# Altium PCB Velvet_Controller_v1.1_2022.PcbDoc (part 3 of 3)
Units mm, origin at the board's own origin, x right, y up, seen from the top; angles counter-clockwise.
Board outline 160.35 x 110.35 mm, 4 copper layers (Top Layer, VCC, GND, Bottom Layer), stack 1.444 mm thick; 158 components, 117 nets, 669 pads, 438 vias.
Unrouted connection lines stored in the file: 3.
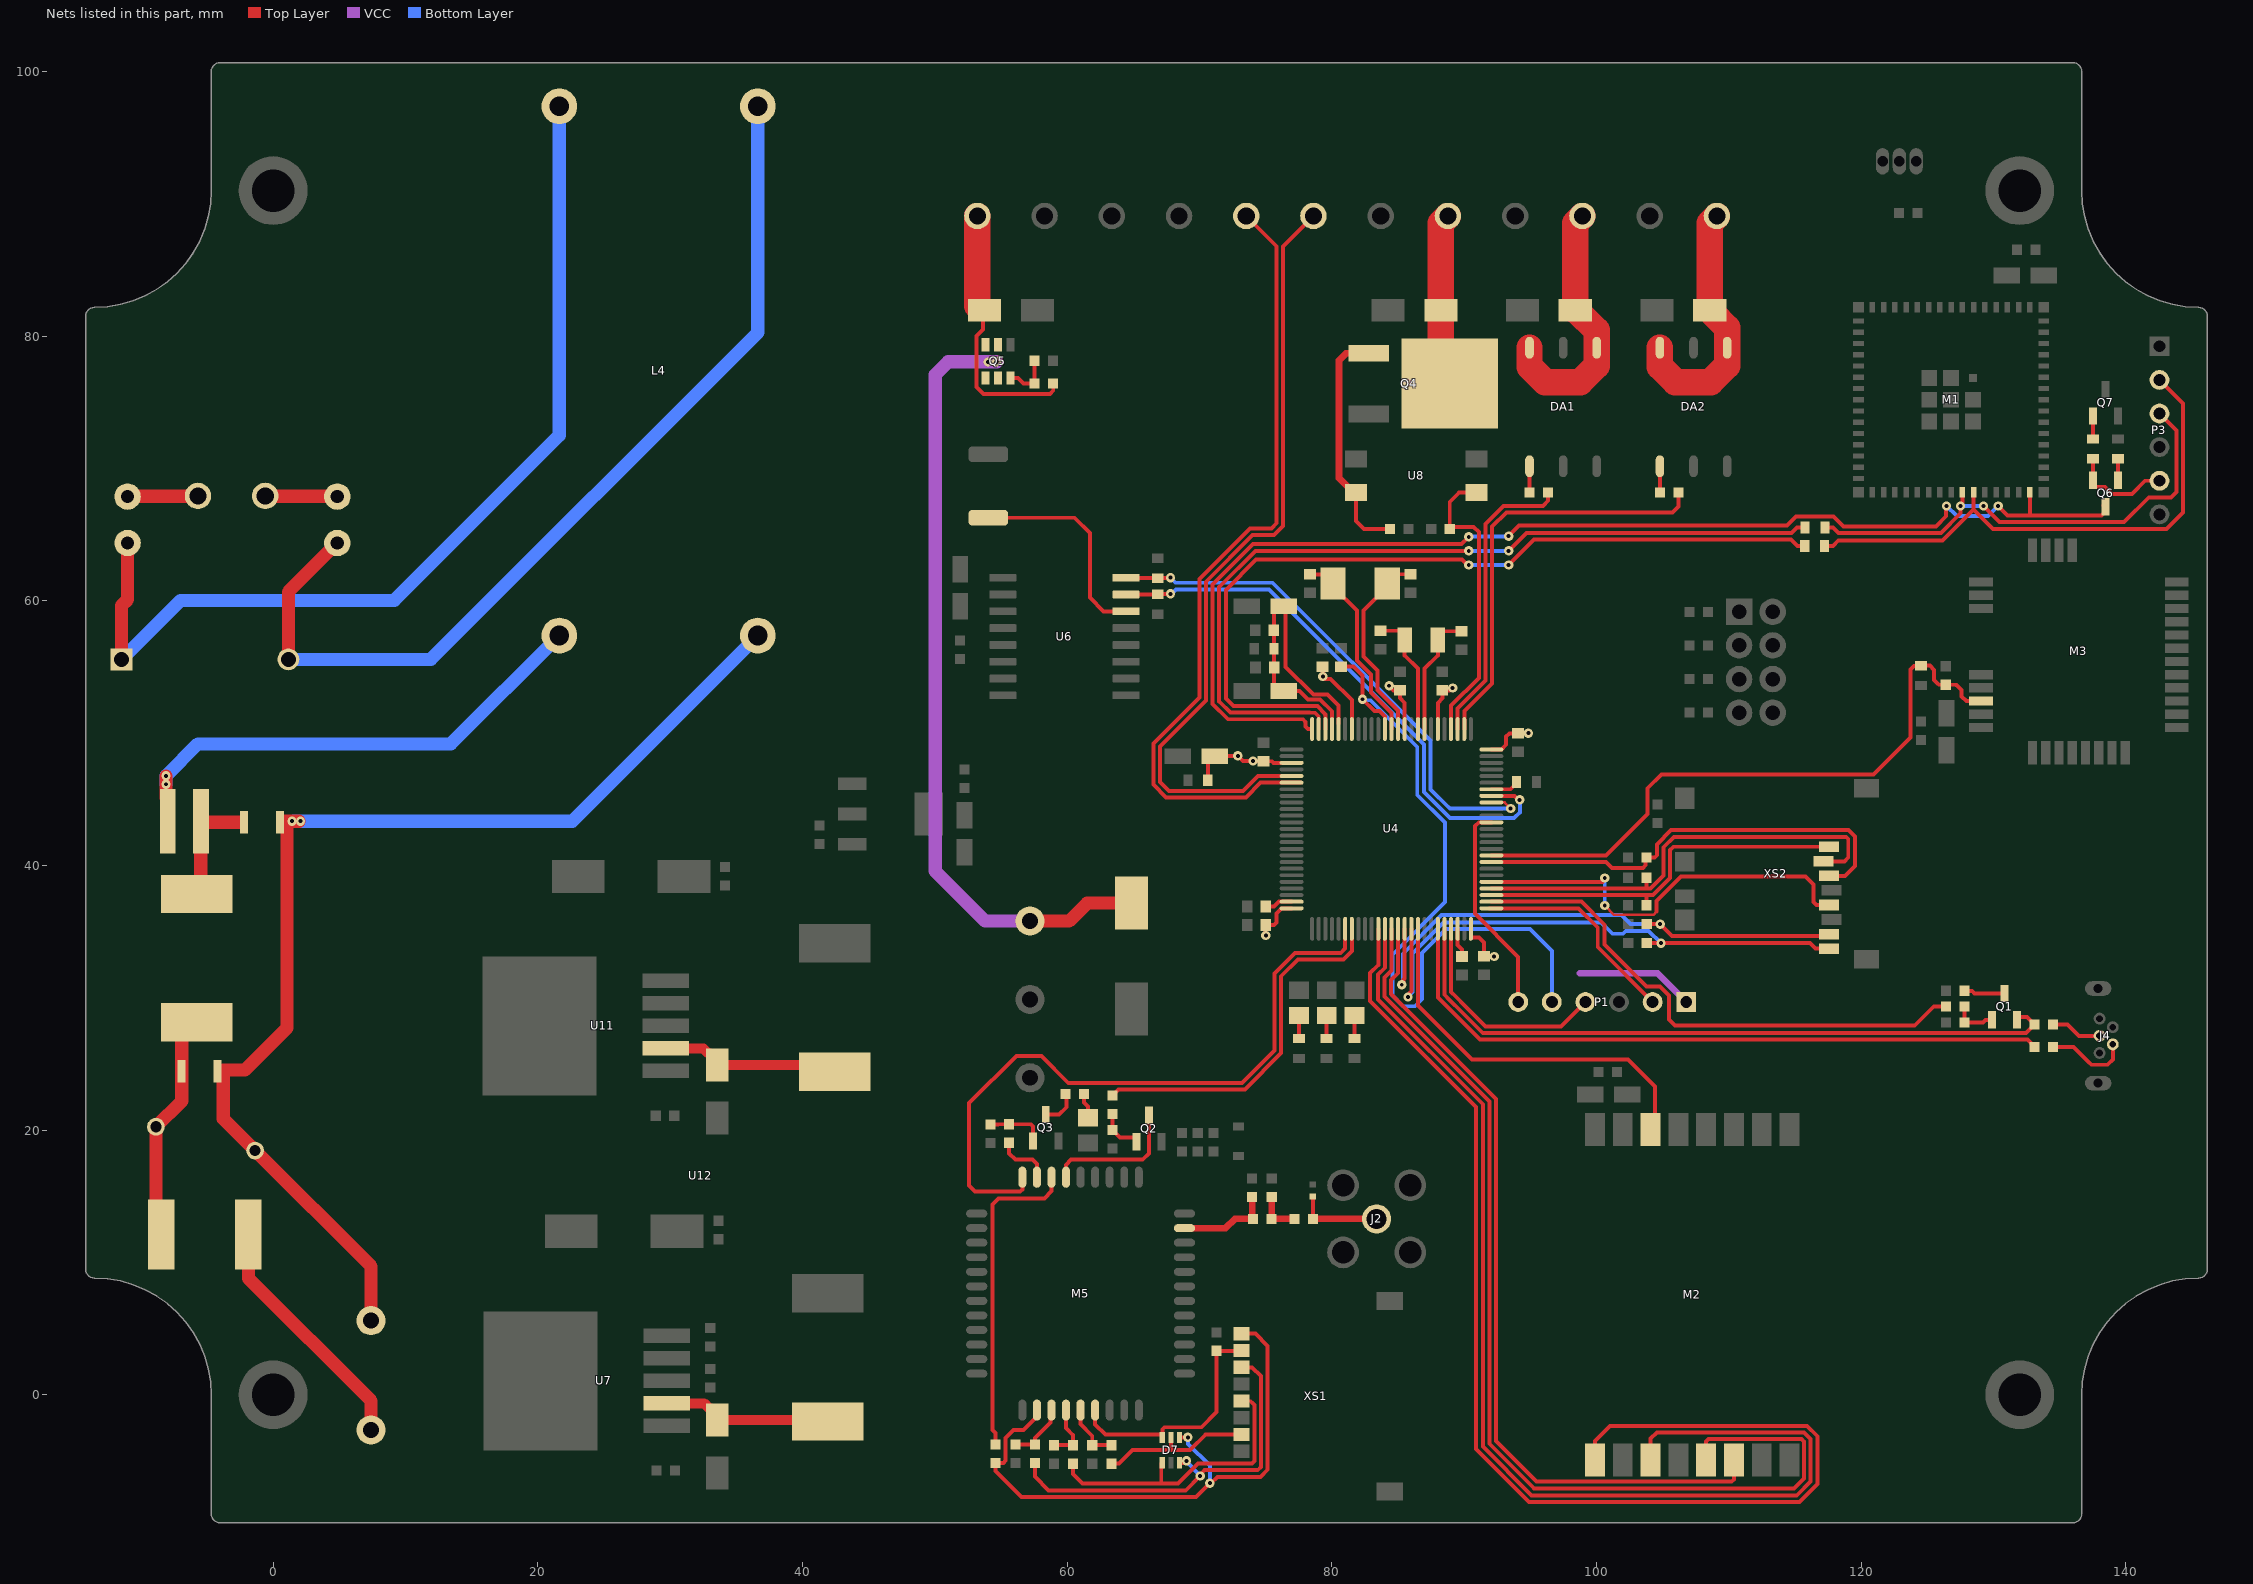
[diagram p5: the nets of this part, all layers, seen from the top]

## Via types
v1: diameter 0.7, hole 0.3, Top Layer to Bottom Layer, tented both sides, 438 vias

## Nets (pads, with @x,y where several pads share a name; then routed paths per layer and width w, separated by ;. In a path a pad name is that pad's centre, name@x,y a point inside that pad or via, vN(x,y) a via of type N, cw(c..) or ccw(c..) an arc to the next point about the centre after c; other vN are vias at no path point) (continued)
MC_VDD: C16.1 C17.2 C18.2 C19.2 C20.2 C21.2 C22.2 C23.2 L3.2 P1.1 U4.6 U4.11 U4.19 U4.28 U4.50 U4.75 U4.100 | length 40.9
  Top Layer w0.254: v1@84.338,53.548 v1(84.338,53.581) ; v1@89.193,53.548 v1@89.193,53.581
  Top Layer w0.3: L3.2@70.635,46.443 70.635,47.807 71.085,48.257 C16.1@71.167,48.257 71.195,48.285 v1(72.898,48.285) 73.292,47.892 v1@74.025,47.892 ; v1(74.051,47.892) v1@74.025,47.892 ; v1(75.016,34.709) 75.01,34.714 75.01,35.485 C18.2@75.005,35.491 75.605,35.491 75.61,35.496 75.651,35.496 75.829,35.674 75.829,36.374 76.215,36.761 U4.50@76.965,36.761 ; U4.28@76.965,47.761 75.605,47.761 75.488,47.877 C19.2@74.838,47.877 74.039,47.877 v1@74.025,47.892 ; C20.2@79.299,55.028 79.324,55.002 v1(79.324,54.276) 79.502,54.099 79.916,54.099 81.515,52.499 U4.19@81.515,50.597 ; v1@84.338,53.548 84.649,53.237 C21.2@85.15,53.237 ; C21.2@85.15,52.983 85.15,52.641 85.515,52.276 U4.11@85.515,50.311 ; U4.6@88.015,50.311 88.015,52.276 88.38,52.641 C22.2@88.38,52.983 ; C22.2@88.38,53.237 88.882,53.237 v1@89.193,53.548 ; U4.75@90.515,34.836 90.515,34.564 91.115,34.564 91.5,34.179 C17.2@91.5,33.134 91.506,33.128 92.272,33.128 v1(92.278,33.122) ; U4.100@92.065,48.761 92.815,48.761 93.177,49.122 93.177,49.746 93.42,49.989 C23.2@94.066,49.989 94.071,49.994 v1@94.729,49.994 ; v1@94.734,50 v1@94.729,49.994 ; v1@94.848,49.994 v1@94.729,49.994
  VCC w0.5: 98.755,31.852 104.619,31.852 P1.1@106.791,29.68
  other v1: 94.853,50 89.142,53.403
MOSFET_OPTO: R14.1 U4.4 U8.1 | length 22.9
  Top Layer w0.3: U4.4@89.015,50.311 89.015,51.863 ; 89.015,51.538 89.015,51.863 ; U8.1@90.945,68.174 89.634,68.174 88.918,67.458 R14.1@88.918,65.43 89.072,65.583 90.729,65.583 91.116,65.196 91.116,54.182 89.015,52.082 89.015,51.863
MOSFET_TTR1: R33.2 U4.3 | length 22.4
  Top Layer w0.3: U4.3@89.515,50.311 89.515,51.875 91.616,53.975 91.616,65.81 92.983,67.176 95.956,67.176 96.343,67.563 R33.2@96.343,68.183
MOSFET_TTR2: R1.2 U4.2 | length 31.9
  Top Layer w0.3: U4.2@90.015,50.311 90.015,51.524 90.015,51.668 92.116,53.768 92.116,65.602 93.19,66.676 105.742,66.676 106.198,67.133 R1.2@106.198,68.183
NetBAT1_1: BAT1.1 U6.14 | length 16.2
  Top Layer w0.3: BAT1.1@54.05,66.278 60.57,66.278 61.722,65.126 61.722,60.249 62.763,59.207 U6.14@64.453,59.207
NetC1_1: C1.1 C2.1 L4.2 RV8.1 U12.2 | length 86.7
  Top Layer w1: C1.1@0.797,43.345 v1(1.432,43.345) v1@1.956,43.345 ; 1.051,42.71 1.051,27.724 -2.124,24.549 -3.775,24.549 -3.775,20.866 RV8.1@-1.362,18.453 7.396,9.695 U12.2@7.396,5.6
  Bottom Layer w1: v1@1.559,43.345 v1(2.067,43.345) 22.595,43.345 L4.2@36.625,57.375
NetC1_2: C1.2 L1.2 L2.1 | length 9.7
  Top Layer w1: L1.2@-5.466,43.345 -5.466,38.141 L2.1@-5.766,37.841 L2.1@-4.516,37.841 ; L1.2@-5.366,43.266 -2.566,43.266
NetC2_2: C2.2 F8.1 L2.2 RV8.2 | length 15.8
  Top Layer w1: F8.1@-8.862,13.754 RV8.2@-8.862,20.253 -6.915,22.2 C2.2@-6.915,24.466 -6.915,27.191 -5.965,28.141 L2.2@-5.766,28.141
NetC10_1: C10.1 U4.8 Y2.2 | length 9.4
  Top Layer w0.254: Y2.2@88.001,57.036 88.001,57.284 88.424,57.707 C10.1@89.816,57.707
  Top Layer w0.3: U4.8@87.015,50.311 87.015,54.871 88.03,55.886 Y2.2@88.03,57.036
NetC11_1: C11.1 U4.12 Y1.2 | length 13.9
  Top Layer w0.254: Y1.2@84.89,62.003 C11.1@85.938,62.002
  Top Layer w0.3: Y1.2@84.193,61.306 84.193,61.056 82.391,59.254 82.391,55.808 83.464,54.734 83.464,53.269 85.015,51.718 U4.12@85.015,50.311
NetC12_1: C12.1 U4.9 Y2.1 | length 9.4
  Top Layer w0.254: C12.1@83.691,57.736 85.078,57.736 85.501,57.313 Y2.1@85.501,57.036
  Top Layer w0.3: Y2.1@85.501,57.036 85.501,55.886 86.515,54.871 U4.9@86.515,50.311
NetC13_1: C13.1 U4.13 Y1.1 | length 14.9
  Top Layer w0.3: C13.1@78.349,62.003 79.397,62.003 Y1.1@80.093,61.306 80.093,61.056 81.891,59.258 81.891,55.494 82.956,54.429 82.956,53.07 84.515,51.511 U4.13@84.515,50.311
NetC14_2: C14.2 U4.73 | length 2.2
  Top Layer w0.3: U4.73@89.515,35.211 89.515,33.984 89.846,33.653 C14.2@89.846,33.123
NetC15_2: C15.2 U4.49 | length 2.1
  Top Layer w0.3: C15.2@75.015,36.891 75.639,36.891 76.008,37.261 U4.49@76.965,37.261
NetC24_1: C24.1 C25.2 C26.1 C27.2 L9.2 U4.21 U4.22 | length 24.6
  Top Layer w0.2: U4.22@80.015,50.311 U4.22@80.015,50.922 ; U4.21@80.515,50.311 U4.21@80.515,50.747
  Top Layer w0.254: C24.1@75.64,53.648 76.113,53.175 C24.1@76.369,53.175 ; C26.1@75.64,59.113 76.113,59.586 C26.1@76.369,59.586
  Top Layer w0.3: C24.1@75.64,53.648 L9.2@75.64,56.375 C26.1@75.64,59.113 ; C24.1@76.369,53.175 77.569,53.175 78.193,52.551 79.118,52.551 80.015,51.654 U4.22@80.015,50.922 ; C26.1@76.369,59.586 76.514,59.44 76.514,55.007 78.613,52.908 79.692,52.908 80.515,52.085 U4.21@80.515,50.747
NetC29_2: C29.2 M5.32 R16.2 | length 7.1
  Top Layer w0.5: M5.32@68.869,12.593 71.977,12.593 72.678,13.295 R16.2@74.036,13.295 R16.2@73.948,13.383 ; R16.2@73.998,13.383 C29.2@73.998,14.944
NetC30_2: C30.2 R16.1 R17.2 | length 3.3
  Top Layer w0.5: R16.1@75.433,13.295 76.014,13.295 R17.2@77.174,13.295 ; R16.1@75.468,13.383 C30.2@75.468,14.944
NetC35_2: C35.2 M3.22 R2.1 U4.84 | length 48.9
  Top Layer w0.3: U4.84@92.065,40.761 100.731,40.761 103.876,43.905 103.876,45.837 104.915,46.876 120.939,46.876 123.733,49.67 123.733,52.152 123.721,52.165 123.721,54.813 123.987,55.08 124.507,55.08 R2.1@124.521,55.093 ; R2.1@124.553,55.106 125.206,55.106 125.524,54.788 125.524,54.026 125.791,53.758 125.892,53.657 C35.2@126.4,53.657 127.162,53.657 127.187,53.632 127.213,53.632 127.594,53.251 127.594,52.787 127.958,52.422 M3.22@129.058,52.422
NetC42_1: C42.1 Q5.1 Q5.2 Q5.5 Q5.6 U12.3 | length 59.5
  Top Layer w1: U12.3@57.196,35.8 60.146,35.8 61.506,37.16 C42.1@64.881,37.16
  VCC w1: v1(54.681,78.059) 51.008,78.059 50.038,77.089 50.038,39.573 53.811,35.8 U12.3@57.196,35.8
  other v1: 54.026,78.054
NetC45_2: C45.2 D7.6 M5.18 XS1.C5 | length 18.3
  Top Layer w0.3: M5.18@62.119,-1.157 62.119,-2.233 62.892,-3.006 67.129,-3.006 D7.6@67.202,-3.079 ; D7.6@67.202,-3.231 D7.6@67.202,-3.079 ; XS1.C5@73.187,3.344 73.167,3.324 C45.2@71.306,3.324 71.306,-1.311 70.163,-2.454 67.354,-2.454 67.202,-2.606 D7.6@67.202,-3.079
NetC46_2: C46.2 M5.17 R30.1 | length 4.4
  Top Layer w0.3: M5.17@61.019,-1.157 61.019,-2.226 61.901,-3.107 C46.2@61.901,-3.813 ; C46.2@61.943,-3.813 62.524,-3.813 R30.1@63.347,-3.813
NetC47_2: C47.2 M5.16 R29.1 | length 4.3
  Top Layer w0.3: C47.2@59.135,-3.813 R29.1@60.539,-3.813 ; M5.16@59.919,-1.157 59.919,-2.523 60.454,-3.058 R29.1@60.454,-3.813
NetC48_2: C48.2 M5.15 R28.1 | length 4.3
  Top Layer w0.3: C48.2@56.327,-3.749 R28.1@57.562,-3.75 ; R28.1@57.562,-3.75 57.562,-3.27 58.753,-2.079 58.753,-1.223 M5.15@58.819,-1.157
NetD1_1: D1.1 J3.2 R23.1 | length 20
  Top Layer w0.3: D1.1@53.569,81.953 53.645,81.878 53.645,80.495 53.152,80.002 53.152,76.156 53.67,75.638 58.696,75.638 58.953,75.895 58.953,76.41 R23.1@58.925,76.439
  Top Layer w1: D1.1@53.219,82.303 D1.1@53.569,81.953
  Top Layer w2: D1.1@53.219,82.303 J3.2@53.219,89.083
NetD2_2: D2.2 L7.1 U11.2 | length 12.3
  Top Layer w0.75: U11.2@29.678,26.176 32.507,26.176 32.886,25.797 33.019,25.797 D2.2@33.494,25.322 ; D2.2@33.756,24.927 41.7,24.927 L7.1@41.819,24.808
NetD3_1: D3.1 R6.1 | length 1.8
  Top Layer w0.3: R6.1@77.515,26.918 D3.1@77.515,28.668
NetD4_1: D4.1 R8.1 | length 1.8
  Top Layer w0.3: R8.1@79.618,26.918 79.618,27.818 D4.1@79.618,28.668
NetD5_1: D5.1 R9.1 | length 1.8
  Top Layer w0.3: R9.1@81.722,26.918 81.722,27.818 D5.1@81.722,28.668
NetD6_2: D6.2 R3.2 | length 1.9
  Top Layer w0.3: R3.2@61.289,22.735 61.289,22.073 61.578,21.784 D6.2@61.578,20.934
NetD7_1: D7.1 R29.2 XS1.C3 | length 22.4
  Top Layer w0.254: XS1.C3@73.187,-0.466 73.838,-0.466 74.006,-0.633
  Top Layer w0.3: R29.2@60.454,-5.21 60.454,-6.004 61.163,-6.713 67.115,-6.713 ; D7.1@67.202,-5.131 67.152,-5.181 67.152,-5.546 67.115,-5.582 67.115,-6.713 ; 74.006,-0.633 74.151,-0.778 74.151,-5.017 73.965,-5.202 69.883,-5.202 68.372,-6.713 67.115,-6.713
NetD7_3: D7.3 R28.2 XS1.C2 | length 30.7
  Top Layer w0.3: R28.2@57.562,-5.147 57.562,-6.185 58.606,-7.229 68.967,-7.229 v1(70.06,-6.136) ; v1(69.02,-4.994) 68.951,-5.063 68.552,-5.063 68.517,-5.098 68.517,-5.147 v1@69.147,-5.147 ; v1@70.009,-6.085 v1@70.06,-6.034 ; v1@70.085,-6.01 70.392,-5.702 74.406,-5.702 74.651,-5.458 74.651,1.411 73.987,2.074 XS1.C2@73.187,2.074
  Bottom Layer w0.3: v1(69.02,-4.994) 69.02,-5.045 70.06,-6.085 v1(70.06,-6.136) ; v1@70.045,-6.041 v1@70.071,-6.041
NetD7_4: D7.4 M5.14 R27.2 XS1.C1 | length 45.4
  Top Layer w0.3: M5.14@57.719,-1.157 57.719,-1.657 56.721,-2.654 55.954,-2.654 55.356,-3.252 55.356,-4.971 55.18,-5.147 R27.2@54.593,-5.147 54.593,-5.777 56.553,-7.737 69.728,-7.737 v1(70.786,-6.68) 70.894,-6.68 71.371,-6.202 74.613,-6.202 75.151,-5.665 75.151,3.688 74.224,4.614 XS1.C1@73.187,4.614 ; D7.4@68.502,-3.231 68.517,-3.216 v1(69.122,-3.216)
  Bottom Layer w0.3: v1@69.132,-3.222 69.132,-3.705 70.786,-5.358 v1(70.786,-6.68)
NetD7_5: D7.5 R30.2 XS1.C4 | length 11.7
  Top Layer w0.3: R30.2@63.347,-5.21 63.928,-5.21 64.957,-4.181 67.902,-4.181 ; D7.5@67.852,-3.231 67.852,-4.131 67.902,-4.181 ; XS1.C4@73.187,-3.006 70.477,-3.006 69.301,-4.181 67.902,-4.181
NetD8_1: D8.1 J1.1 Q4.2 | length 13.2
  Top Layer w2: J1.1@88.781,89.082 88.241,88.542 88.241,77.074 Q4.2@88.906,76.409
NetD9_2: D9.2 L8.1 U7.2 | length 12.3
  Top Layer w0.75: U7.2@29.753,-0.646 32.581,-0.646 32.961,-1.025 33.094,-1.025 D9.2@33.569,-1.5 ; D9.2@33.831,-1.895 41.774,-1.895 L8.1@41.893,-2.014
NetD10_1: D10.1 DA1.4 DA1.6 J6.1 | length 19.4
  Top Layer w2: DA1.6@94.946,79.124 94.946,77.699 96.117,76.527 98.781,76.527 100.026,77.772 DA1.4@100.026,79.124 100.026,80.431 98.503,81.953 D10.1@98.403,81.953 ; D10.1@98.403,82.344 98.403,88.542 J6.1@98.943,89.082
NetD11_1: D11.1 DA2.4 DA2.6 J7.1 | length 19.3
  Top Layer w2: DA2.6@104.801,79.124 104.801,77.699 105.972,76.527 108.636,76.527 109.881,77.772 DA2.4@109.881,79.124 109.881,80.638 108.816,81.703 108.816,81.803 108.666,81.953 D11.1@108.566,81.953 ; D11.1@108.566,82.344 108.566,88.542 J7.1@109.106,89.082
NetDA1_1: DA1.1 R33.1 | length 2
  Top Layer w0.3: R33.1@94.946,68.183 DA1.1@94.946,70.174
NetDA2_1: DA2.1 R1.1 | length 2
  Top Layer w0.3: R1.1@104.801,68.183 DA2.1@104.801,70.174
NetF8_2: F8.2 U12.1 | length 18.6
  Top Layer w1: F8.2@-1.872,12.103 -1.872,8.803 7.396,-0.465 U12.1@7.396,-2.66
NetGDT1_1: GDT1.1 L4.3 L5.2 | length 73.9
  Top Layer w1: GDT1.1@-11.451,55.575 -11.451,59.649 -11,60.1 L5.2@-11,64.37
  Bottom Layer w1: GDT1.1@-11.451,55.575 -7.001,60.025 9.15,60.025 21.625,72.5 L4.3@21.625,97.375
NetGDT1_2: GDT1.2 L4.1 L6.2 | length 73.1
  Top Layer w1: GDT1.2@1.15,55.575 1.15,60.67 L6.2@4.85,64.37
  Bottom Layer w1: GDT1.2@1.15,55.575 11.925,55.575 36.625,80.275 L4.1@36.625,97.375
NetJ2_1: J2.1 R17.1 TVS2.2 | length 6.5
  Top Layer w0.3: R17.1@78.571,13.295 78.571,13.876 TVS2.2@78.571,15.002
  Top Layer w0.5: R17.1@78.571,13.295 J2.1@83.393,13.295
NetJ4_2: J4.2 R40.2 | length 6.4
  Top Layer w0.3: R40.2@134.51,26.284 136.072,26.284 137.241,25.116 137.416,24.94 138.638,24.94 139.024,25.327 J4.2@139.024,26.479
NetJ4_3: J4.3 R41.2 | length 3.9
  Top Layer w0.3: R41.2@134.51,27.988 135.599,27.988 136.458,27.129 J4.3@138.024,27.129
NetJ8_1: J8.1 L6.1 | length 5.5
  Top Layer w1: J8.1@-0.6,67.925 -0.575,67.9 4.825,67.9 L6.1@4.85,67.875
NetJ8_2: J8.2 L5.1 | length 5.3
  Top Layer w1: L5.1@-11,67.875 -10.975,67.9 -5.705,67.9 J8.2@-5.68,67.925
NetJ9_1: J9.1 U4.30 | length 59.2
  Top Layer w0.3: U4.30@76.965,46.761 74.421,46.761 73.304,45.643 67.692,45.643 67.017,46.318 67.017,49.002 70.493,52.478 70.493,61.442 74.024,64.972 75.645,64.972 76.327,65.654 76.327,86.79 J9.1@78.619,89.082
NetJ9_2: J9.2 U4.31 | length 60.7
  Top Layer w0.3: J9.2@73.539,89.082 75.827,86.795 75.827,65.861 75.438,65.472 73.817,65.472 69.993,61.649 69.993,52.685 66.517,49.209 66.517,46.11 67.485,45.143 73.511,45.143 74.628,46.261 U4.31@77.622,46.261
NetL1_1: L1.1 L4.4 | length 38.2
  Top Layer w1: v1@-8.093,46.764 v1(-8.093,46.139) -8.093,45.095 -8.066,45.095 -7.966,44.995 L1.1@-7.966,43.345
  Bottom Layer w1: v1(-8.093,46.139) v1(-8.093,46.774) -5.68,49.187 13.437,49.187 L4.4@21.625,57.375
NetM5_39: M5.39 Q2.3 | length 10.4
  Top Layer w0.3: M5.39@59.919,16.443 59.919,17.375 60.308,17.764 65.718,17.764 66.201,18.247 Q2.3@66.201,21.122
NetM5_40: M5.40 R27.1 | length 24.2
  Top Layer w0.3: R27.1@54.593,-3.75 54.593,-2.882 54.366,-2.654 54.366,14.389 54.823,14.846 58.277,14.846 58.819,15.388 M5.40@58.819,16.443
NetM5_41: M5.41 R12.1 | length 4.2
  Top Layer w0.3: R12.1@55.611,19.047 55.611,18.244 56.091,17.764 57.398,17.764 57.719,17.443 M5.41@57.719,16.443
NetM5_42: M5.42 U4.56 | length 51.3
  Top Layer w0.3: M5.42@56.619,16.443 56.619,15.522 56.443,15.346 53.053,15.346 52.588,15.811 52.588,22.034 56.169,25.616 58.049,25.616 60.089,23.576 73.225,23.576 75.676,26.027 75.676,31.836 77.238,33.398 80.68,33.398 81.015,33.733 U4.56@81.015,35.211
NetQ1_1: Q1.1 R38.1 R39.2 | length 3.4
  Top Layer w0.3: 127.819,28.753 R39.2@127.819,28.138 129.204,28.138 129.4,28.335 Q1.1@129.9,28.335 ; 127.819,28.754 R38.1@127.819,29.335
NetQ1_3: Q1.3 R37.2 | length 4.9
  Top Layer w0.3: R37.2@127.805,30.531 128.386,30.531 128.582,30.335 Q1.3@130.85,30.335 129.09,30.335
NetQ2_1: Q2.1 R5.1 R10.2 | length 3.5
  Top Layer w0.3: R5.1@63.425,21.211 R10.2@63.425,20.012 64.006,19.431 65.078,19.431 65.251,19.258 Q2.1@65.251,19.122
NetQ3_1: Q3.1 R12.2 R13.2 | length 4.4
  Top Layer w0.3: R13.2@54.215,20.431 54.796,20.431 54.809,20.444 R12.2@55.611,20.444 57.272,20.444 57.437,20.28 Q3.1@57.437,19.173
NetQ3_3: Q3.3 R3.1 | length 2.8
  Top Layer w0.3: Q3.3@58.387,21.173 59.397,21.173 59.954,21.73 59.954,22.674 R3.1@59.892,22.735
NetQ4_1: Q4.1 R15.1 U8.4 | length 18.1
  Top Layer w0.3: U8.4@81.826,68.174 81.826,66.024 82.421,65.43 R15.1@84.417,65.43
  Top Layer w0.5: U8.4@81.826,68.174 81.649,68.174 80.551,69.272 80.551,78.168 81.081,78.699 Q4.1@82.806,78.699
NetQ5_3: Q5.3 R23.2 R24.1 | length 3.7
  Top Layer w0.3: Q5.3@55.722,76.849 56.298,76.849 56.708,76.439 R23.2@57.528,76.439 R24.1@57.528,78.143
NetQ6_1: Q6.1 R11.1 | length 1.6
  Top Layer w0.3: Q6.1@139.427,69.113 R11.1@139.427,70.738
NetQ7_1: Q7.1 R18.1 | length 1.7
  Top Layer w0.3: R18.1@137.527,72.238 137.527,72.788 Q7.1@137.527,73.965
NetR5_2: R5.2 U4.57 | length 27.2
  Top Layer w0.3: R5.2@63.425,22.608 63.893,23.076 73.432,23.076 76.176,25.82 76.176,31.628 77.445,32.898 80.888,32.898 81.515,33.525 U4.57@81.515,34.76
NetR7_2: R7.2 U4.94 | length 2.2
  Top Layer w0.3: U4.94@92.065,45.761 93.507,45.761 93.966,46.22 R7.2@93.966,46.32
NetR19_2: R19.2 U4.23 | length 63.3
  Top Layer w0.3: U4.23@79.515,50.311 79.515,51.411 79.502,51.425 79.502,51.461 78.911,52.051 72.558,52.051 71.993,52.616 71.993,60.82 74.292,63.119 89.84,63.119 90.259,62.7 v1(90.353,62.7) ; v1@90.353,62.743 90.412,62.743 v1@90.455,62.7 ; v1(93.367,62.7) 95.298,64.63 114.713,64.63 115.199,64.144 R19.2@115.744,64.144
  Bottom Layer w0.3: v1(90.353,62.7) v1(93.367,62.7)
NetR20_2: R20.2 U4.24 | length 63.7
  Top Layer w0.28: 78.312,51.551 78.718,51.551 79.012,51.258 79.012,50.315 U4.24@79.015,50.311
  Top Layer w0.3: 78.312,51.551 72.351,51.551 71.493,52.409 71.493,61.027 74.245,63.779 v1(90.353,63.779) ; v1(93.367,63.779) 94.72,65.132 114.735,65.132 115.148,65.545 R20.2@115.769,65.545
  Bottom Layer w0.3: v1(90.353,63.779) v1(93.367,63.779)
NRST: C31.2 P1.5 U4.14 | length 55.2
  Top Layer w0.3: C31.2@80.699,55.028 81.651,55.028 82.332,54.346 v1(82.332,52.562) 83.229,51.665 83.618,51.665 84.015,51.268 U4.14@84.015,50.311
  Bottom Layer w0.3: v1(82.332,52.562) 82.409,52.485 82.926,52.485 86.462,48.949 86.462,45.343 88.57,43.235 88.57,37.235 84.589,33.255 84.589,30.168 85.396,29.361 86.282,29.361 86.837,29.916 86.837,33.381 88.645,35.19 94.971,35.19 96.631,33.529 P1.5@96.631,29.68
RFID_EN: M2.11 U4.67 | length 29.6
  Top Layer w0.3: U4.67@86.515,35.211 86.515,30.239 86.515,29.402 90.582,25.335 102.402,25.335 104.445,23.292 104.445,20.406 M2.11@104.095,20.056
RFID_GPI: M2.8 U4.61 | length 93.6
  Top Layer w0.3: U4.61@83.515,35.211 83.515,33.984 83.515,32.477 82.906,31.868 82.906,29.756 90.915,21.746 90.915,-4.114 94.9,-8.099 115.349,-8.099 116.695,-6.753 116.695,-3.135 115.904,-2.344 104.363,-2.344 101.031,-2.344 99.895,-3.48 M2.8@99.895,-4.944
RFID_GPO: M2.6 U4.62 | length 86.7
  Top Layer w0.3: U4.62@84.015,35.211 84.015,32.27 83.49,31.745 83.49,29.879 91.415,21.954 91.415,-3.907 95.107,-7.599 115.142,-7.599 116.195,-6.546 116.195,-3.342 115.697,-2.844 104.57,-2.844 104.095,-3.318 M2.6@104.095,-4.944
RFID_RX: M2.3 U4.64 | length 63
  Top Layer w0.3: U4.64@85.015,35.211 85.015,34.226 85.015,33.892 85.015,31.856 84.49,31.331 84.49,30.293 92.415,22.368 92.415,-3.493 95.488,-6.566 110.22,-6.566 110.395,-6.39 M2.3@110.395,-4.944
RFID_TX: M2.4 U4.63 | length 79.7
  Top Layer w0.3: U4.63@84.515,35.211 84.515,34.099 84.515,32.063 83.99,31.538 83.99,30.086 91.915,22.161 91.915,-3.7 95.281,-7.066 95.328,-7.066 95.361,-7.099 114.935,-7.099 115.695,-6.339 115.695,-3.549 115.49,-3.344 108.471,-3.344 108.295,-3.52 M2.4@108.295,-4.944
RTC_SCL: R4.2 U4.92 U6.16 | length 40.1
  Top Layer w0.2: U4.92@92.065,44.761 92.076,44.771 93.062,44.771 v1(93.523,44.311)
  Top Layer w0.3: U6.16@64.453,61.747 64.473,61.728 67.799,61.728 v1(67.818,61.747)
  Bottom Layer w0.3: v1(67.818,61.747) 68.199,61.366 75.54,61.366 87.462,49.444 87.462,45.757 88.82,44.399 88.849,44.399 88.938,44.311 v1(93.523,44.311)
RTC_SDA: R25.2 U4.93 U6.15 | length 42.6
  Top Layer w0.3: U6.15@64.453,60.477 64.46,60.484 66.846,60.484 R25.2@66.853,60.491 66.872,60.509 67.799,60.509 v1(67.818,60.528) ; U4.93@92.065,45.261 93.799,45.261 94.096,44.963 v1(94.205,44.963)
  Bottom Layer w0.3: v1(67.818,60.528) 67.899,60.528 68.237,60.866 75.252,60.866 86.962,49.156 86.962,45.55 88.925,43.586 93.788,43.586 94.223,44.021 94.223,44.945 v1(94.205,44.963)
RTS: P3.5 Q6.2 R18.2 | length 8.2
  Top Layer w0.3: R18.2@137.527,70.738 Q6.2@137.527,69.113 137.527,68.763 137.677,68.613 138.422,68.613 138.95,68.085 140.472,68.085 141.462,69.075 P3.5@143.062,69.075
SDIO_CK: U4.80 XS2.5 | length 32
  Top Layer w0.2: v1(100.632,36.97) 101.338,36.264 104.307,36.264 104.552,36.508
  Top Layer w0.3: U4.80@91.627,38.761 U4.80@92.065,38.761 100.459,38.761 100.747,39.048 v1@100.785,39.048 ; 104.552,36.508 104.552,37.321 106.407,39.176 115.786,39.176 116.404,38.558 116.404,37.235 116.624,37.016 XS2.5@117.574,37.016
  Bottom Layer w0.3: v1(100.632,36.97) v1(100.632,39.048) ; v1@100.785,36.942 v1@100.785,36.97
SDIO_CMD: R73.1 U4.83 XS2.3 | length 34.4
  Top Layer w0.3: U4.83@92.065,40.261 100.731,40.261 101.188,39.805 103.515,39.805 103.727,40.017 R73.1@103.727,40.598 ; R73.1@103.587,40.598 R73.1@103.684,40.695 ; R73.1@103.781,40.598 104.398,40.598 104.574,40.774 104.574,41.585 105.654,42.666 119.065,42.666 119.534,42.197 119.534,39.959 118.791,39.216 XS2.3@117.574,39.216
SDIO_D0: R77.1 U4.65 XS2.7 | length 41.6
  Top Layer w0.3: v1@85.365,31.061 85.423,31.119 85.423,31.365 85.515,31.458 85.515,33.685 U4.65@85.515,35.211 ; R77.1@103.804,35.565 v1(104.818,35.565) 105.724,34.658 117.416,34.658 XS2.7@117.574,34.816
  Bottom Layer w0.3: v1@85.365,31.061 85.365,33.324 88.287,36.246 101.89,36.246 102.571,35.565 v1(104.818,35.565)
  other v1: 85.289,30.985
SDIO_D1: R76.1 U4.66 XS2.8 | length 42.9
  Top Layer w0.3: v1@85.865,30.345 86.015,30.495 U4.66@86.015,35.211 ; R76.1@103.804,34.135 116.128,34.135 116.547,33.716 XS2.8@117.574,33.716
  Bottom Layer w0.3: v1(85.764,30.061) 85.764,30.092 86.108,30.437 86.108,33.359 88.438,35.69 100.353,35.69 101.203,34.84 101.994,34.84 102.22,35.065 103.946,35.065 v1(104.886,34.125)
SDIO_D2: R75.1 U4.78 XS2.1 | length 29
  Top Layer w0.3: U4.78@92.065,37.761 103.781,37.761 ; R75.1@103.781,36.995 103.781,37.761 ; XS2.1@117.574,41.416 105.819,41.416 105.574,41.171 105.574,39.05 104.285,37.761 103.781,37.761
SDIO_D3: R74.1 U4.79 XS2.2 | length 34
  Top Layer w0.3: U4.79@92.065,38.261 97.679,38.261 104.077,38.261 105.074,39.257 105.074,41.378 105.862,42.166 118.858,42.166 119.034,41.99 119.034,40.602 118.748,40.316 XS2.2@117.174,40.316 ; 103.804,38.367 R74.1@103.804,39.074
SWCLK: P1.2 U4.76 | length 16.1
  Top Layer w0.3: U4.76@91.907,36.761 U4.76@92.065,36.761 98.654,36.761 100.101,35.313 100.101,33.83 P1.2@104.251,29.68
SWDIO: P1.4 U4.72 | length 16.8
  Top Layer w0.3: U4.72@89.015,35.211 89.015,30.437 89.373,30.079 90.084,29.369 91.618,27.835 97.326,27.835 P1.4@99.171,29.68
SWO: P1.6 U4.89 | length 16
  Top Layer w0.3: U4.89@92.065,43.261 91.108,43.261 90.815,42.968 90.815,36.368 94.091,33.092 P1.6@94.091,29.68
USB_BOOT: R38.2 U4.77 | length 40.8
  Top Layer w0.3: U4.77@92.065,37.261 98.861,37.261 100.601,35.52 100.601,34.037 103.79,30.848 104.81,30.848 105.47,30.188 105.47,28.353 105.928,27.896 124.058,27.896 125.496,29.335 R38.2@126.422,29.335
USB_D+: Q1.2 R41.1 U4.71 | length 53.4
  Top Layer w0.3: U4.71@88.515,35.211 88.515,30.23 88.873,29.872 89.877,28.869 91.411,27.335 132.46,27.335 R41.1@133.113,27.988 132.54,28.561 131.95,28.561 131.95,28.219 131.827,28.342 Q1.2@131.827,28.767
USB_D–: R40.1 U4.70 | length 51.8
  Top Layer w0.3: U4.70@88.015,35.211 88.015,31.534 88.015,30.023 90.932,27.106 91.204,26.835 132.563,26.835 R40.1@133.113,26.284
WiFi_EN: M1.45 Q6.3 U4.25 | length 91.9
  Top Layer w0.3: U4.25@78.515,50.311 78.189,50.311 78.013,50.487 78.013,50.848 77.81,51.051 72.144,51.051 70.993,52.202 70.993,61.234 74.038,64.279 89.799,64.279 v1(90.353,64.833) ; v1(93.367,64.883) 94.161,65.676 114.391,65.676 115.097,66.383 117.916,66.383 118.668,65.632 125.649,65.632 126.437,66.42 126.437,67.143 v1(126.464,67.17) ; v1(130.365,67.17) 131.084,66.451 138.165,66.451 138.477,66.763 Q6.3@138.477,67.113 138.405,67.113 Q6.3@138.348,67.17 ; 132.757,66.523 M1.45@132.757,68.198 ; Q6.3@138.327,67.191 Q6.3@138.348,67.17 ; Q6.3@138.42,67.17 Q6.3@138.348,67.17
  Bottom Layer w0.3: v1(90.353,64.833) 90.378,64.858 93.343,64.858 v1(93.367,64.883) ; v1(126.464,67.17) 127.239,66.396 129.59,66.396 v1(130.365,67.17)
WiFi_RX: M1.40 P3.2 R19.1 | length 41.4
  Top Layer w0.3: R19.1@117.244,64.144 117.866,64.144 118.279,64.557 126.164,64.557 128.507,66.901 ; M1.40@128.507,68.198 128.507,66.901 ; P3.2@142.554,76.695 144.324,74.925 144.324,66.68 143.08,65.435 129.973,65.435 128.507,66.901
WiFi_TX: M1.39 P3.3 R20.1 | length 36.8
  Top Layer w0.3: R20.1@117.469,65.815 117.269,65.615 R20.1@117.269,65.545 117.891,65.545 118.304,65.132 126.031,65.132 127.518,66.618 v1(127.518,67.17) ; v1@127.657,67.411 M1.39@127.657,68.198 ; v1(129.259,67.17) 130.478,65.951 139.887,65.951 141.742,67.805 143.418,67.805 143.824,68.212 143.824,72.885 P3.3@142.554,74.155
  Bottom Layer w0.3: v1(127.518,67.17) v1@129.157,67.17
pads on no net: BK1.3 DA1.3 DA2.3 J4.1 J4.4 M1.5 M1.6 M1.7 M1.8 M1.9 M1.10 M1.11 M1.12 M1.13 M1.14 M1.15 M1.16 M1.17 M1.18 M1.19 M1.20 M1.21 M1.22 M1.23 M1.24 M1.25 M1.26 M1.27 M1.28 M1.29 M1.31 M1.32 M1.33 M1.34 M1.35 M1.36 M1.37 M1.38 M1.41 M1.44 M2.1 M2.2 M2.5 M2.7 M2.12 M3.3 M3.4 M3.5 M3.6 M3.7 M3.8 M3.9 M3.10 M3.12 M3.13 M3.14 M3.15 M3.16 M3.19 M3.20 M3.21 M3.25 M3.26 M3.27 M3.29 M3.30 M3.31 M3.32 M5.3 M5.4 M5.5 M5.6 M5.7 M5.9 M5.10 M5.11 M5.12 M5.20 M5.22 M5.23 M5.24 M5.25 M5.26 M5.28 M5.29 U4.5 U4.7 U4.15 U4.16 U4.17 U4.18 U4.26 U4.29 U4.32 U4.33 U4.34 U4.35 U4.36 U4.37 U4.38 U4.39 U4.40 U4.41 U4.42 U4.43 U4.44 U4.45 U4.46 U4.51 U4.52 U4.53 U4.54 U4.55 U4.81 U4.82 U4.90 U4.91 U4.95 U4.96 U4.97 U4.98 U6.1 U6.3 U6.4 U6.5 U6.6 U6.7 U6.8 U6.9 U6.10 U6.11 U6.12 U12.5 XS1.C6

## Polygon pours and split planes (outlines as drawn)
+3.3V on VCC "+3.3V_L02_P004" (solid, remove dead copper, pour order 4): 65.938,78.435 65.938,100.677 146.161,100.677 146.161,-9.677 50.444,-9.677 50.444,78.435
MC_VDD on VCC "MC_VDD_L02_P001" (solid, remove dead copper, pour order 1): 72.034,54.712 72.034,31.598 99.695,31.598 99.695,54.712
12V_VDD on VCC "12V_VDD_L02_P003" (solid, remove dead copper, pour order 3): 50.419,78.588 65.598,78.588 65.598,100.422 46.304,100.422 46.304,47.727 24.917,47.727 24.917,-9.677 50.419,-9.677
+4V on VCC "+4V_L02_P002" (solid, remove dead copper, pour order 2): 28.423,9.779 71.806,9.779 71.806,17.323 60.858,17.323 60.858,19.482 59.792,19.482 59.792,13.868 28.423,13.868
GND on GND "GND_L03_P005" (solid, remove dead copper, pour order 5): -11.537,8.602 -10.586,8.328 -9.672,7.949 -8.806,7.471 -7.999,6.898 -7.261,6.239 -6.602,5.501 -6.029,4.694 -5.551,3.828 -5.172,2.914 -4.898,1.963 -4.733,0.988 -4.677,0 -4.677,-9 -4.66,-9.151 -4.61,-9.294 -4.529,-9.422 -4.422,-9.529 -4.294,-9.61 -4.151,-9.66 -4,-9.677 136,-9.677 136.151,-9.66 136.294,-9.61 136.422,-9.529 136.529,-9.422 136.61,-9.294 136.66,-9.151 136.677,-9 136.677,0 136.733,0.988 136.898,1.963 137.172,2.914 137.551,3.828 138.029,4.694 138.602,5.501 139.261,6.239 139.999,6.898 140.806,7.471 141.672,7.949 142.586,8.328 143.537,8.602 144.512,8.767 145.5,8.823 145.651,8.84 145.794,8.89 145.922,8.971 146.029,9.078 146.11,9.206 146.16,9.349 146.177,9.5 146.177,81.5 146.16,81.651 146.11,81.794 146.029,81.922 145.922,82.029 145.794,82.11 145.651,82.16 145.5,82.177 144.512,82.233 143.537,82.398 142.586,82.672 141.672,83.051 140.806,83.529 139.999,84.102 139.261,84.761 138.602,85.499 138.029,86.306 137.551,87.172 137.172,88.086 136.898,89.037 136.733,90.012 136.677,91 136.677,100 136.66,100.151 136.61,100.294 136.529,100.422 136.422,100.529 136.294,100.61 136.151,100.66 136,100.677 -4,100.677 -4.151,100.66 -4.294,100.61 -4.422,100.529 -4.529,100.422 -4.61,100.294 -4.66,100.151 -4.677,100 -4.677,91 -4.733,90.012 -4.898,89.037 -5.172,88.086 -5.551,87.172 -6.029,86.306 -6.602,85.499 -7.261,84.761 -7.999,84.102 -8.806,83.529 -9.672,83.051 -10.586,82.672 -11.537,82.398 -12.512,82.233 -13.5,82.177 -13.651,82.16 ccw(c-13.206,80.89) -13.922,82.029 -14.029,81.922 -14.11,81.794 -14.16,81.651 -14.16,9.349 -14.11,9.206 -14.029,9.078 -13.922,8.971 -13.794,8.89 -13.651,8.84 -13.5,8.823 -12.512,8.767
GND on Top Layer "GND_L01_P006" (solid, remove dead copper, pour order 6): -11.537,8.602 -10.586,8.328 -9.672,7.949 -8.806,7.471 -7.999,6.898 -7.261,6.239 -6.602,5.501 -6.029,4.694 -5.551,3.828 -5.172,2.914 -4.898,1.963 -4.733,0.988 -4.677,0 -4.677,-9 -4.66,-9.151 -4.61,-9.294 -4.529,-9.422 -4.422,-9.529 -4.294,-9.61 -4.151,-9.66 -4,-9.677 136,-9.677 136.151,-9.66 136.294,-9.61 136.422,-9.529 136.529,-9.422 136.61,-9.294 136.66,-9.151 136.677,-9 136.677,0 136.733,0.988 136.898,1.963 137.172,2.914 137.551,3.828 138.029,4.694 138.602,5.501 139.261,6.239 139.999,6.898 140.806,7.471 141.672,7.949 142.586,8.328 143.537,8.602 144.512,8.767 145.5,8.823 145.651,8.84 145.794,8.89 145.922,8.971 146.029,9.078 146.11,9.206 146.16,9.349 146.177,9.5 146.177,81.5 146.16,81.651 146.11,81.794 146.029,81.922 145.922,82.029 145.794,82.11 145.651,82.16 145.5,82.177 144.512,82.233 143.537,82.398 142.586,82.672 141.672,83.051 140.806,83.529 139.999,84.102 139.261,84.761 138.602,85.499 138.029,86.306 137.551,87.172 137.172,88.086 136.898,89.037 136.733,90.012 136.677,91 136.677,100 136.66,100.151 136.61,100.294 136.529,100.422 136.422,100.529 136.294,100.61 136.151,100.66 136,100.677 -4,100.677 -4.151,100.66 -4.294,100.61 -4.422,100.529 -4.529,100.422 -4.61,100.294 -4.66,100.151 -4.677,100 -4.677,91 -4.733,90.012 -4.898,89.037 -5.172,88.086 -5.551,87.172 -6.029,86.306 -6.602,85.499 -7.261,84.761 -7.999,84.102 -8.806,83.529 -9.672,83.051 -10.586,82.672 -11.537,82.398 -12.512,82.233 -13.5,82.177 -13.651,82.16 ccw(c-13.206,80.89) -13.922,82.029 -14.029,81.922 -14.11,81.794 -14.16,81.651 -14.16,9.349 -14.11,9.206 -14.029,9.078 -13.922,8.971 -13.794,8.89 -13.651,8.84 -13.5,8.823 -12.512,8.767
GND on Bottom Layer "GND_L04_P000" (solid, remove dead copper, pour order 0): -11.537,8.602 -10.586,8.328 -9.672,7.949 -8.806,7.471 -7.999,6.898 -7.261,6.239 -6.602,5.501 -6.029,4.694 -5.551,3.828 -5.172,2.914 -4.898,1.963 -4.733,0.988 -4.677,0 -4.677,-9 -4.66,-9.151 -4.61,-9.294 -4.529,-9.422 -4.422,-9.529 -4.294,-9.61 -4.151,-9.66 -4,-9.677 136,-9.677 136.151,-9.66 136.294,-9.61 136.422,-9.529 136.529,-9.422 136.61,-9.294 136.66,-9.151 136.677,-9 136.677,0 136.733,0.988 136.898,1.963 137.172,2.914 137.551,3.828 138.029,4.694 138.602,5.501 139.261,6.239 139.999,6.898 140.806,7.471 141.672,7.949 142.586,8.328 143.537,8.602 144.512,8.767 145.5,8.823 145.651,8.84 145.794,8.89 145.922,8.971 146.029,9.078 146.11,9.206 146.16,9.349 146.177,9.5 146.177,81.5 146.16,81.651 146.11,81.794 146.029,81.922 145.922,82.029 145.794,82.11 145.651,82.16 145.5,82.177 144.512,82.233 143.537,82.398 142.586,82.672 141.672,83.051 140.806,83.529 139.999,84.102 139.261,84.761 138.602,85.499 138.029,86.306 137.551,87.172 137.172,88.086 136.898,89.037 136.733,90.012 136.677,91 136.677,100 136.66,100.151 136.61,100.294 136.529,100.422 136.422,100.529 136.294,100.61 136.151,100.66 136,100.677 -4,100.677 -4.151,100.66 -4.294,100.61 -4.422,100.529 -4.529,100.422 -4.61,100.294 -4.66,100.151 -4.677,100 -4.677,91 -4.733,90.012 -4.898,89.037 -5.172,88.086 -5.551,87.172 -6.029,86.306 -6.602,85.499 -7.261,84.761 -7.999,84.102 -8.806,83.529 -9.672,83.051 -10.586,82.672 -11.537,82.398 -12.512,82.233 -13.5,82.177 -13.651,82.16 ccw(c-13.206,80.89) -13.922,82.029 -14.029,81.922 -14.11,81.794 -14.16,81.651 -14.16,9.349 -14.11,9.206 -14.029,9.078 -13.922,8.971 -13.794,8.89 -13.651,8.84 -13.5,8.823 -12.512,8.767

## Keep-outs
Keep-Out Layer:
  the board outline again, w0.2

## Other copper
Top Layer:
  rectangle net +3.3V: 48.438,42.52 55.143,46.279
  region net +5V: 45.184,39.015 29.055,39.015 29.055,33.046 45.184,33.046
  rectangle net 12V_VDD: 55.661,78.778 59.09,82.842
  rectangle net NetC42_1: 53.502,76.301 55.153,79.857
  region net +4V: 44.655,12.193 28.526,12.193 28.526,6.224 44.655,6.224
  region net +4V: 64.016,17.042 64.016,15.885 ccw(c64.27,15.885) 64.27,15.631 71.738,15.631 ccw(c71.738,17.256) 73.363,17.256 73.363,18.552 ccw(c73.135,18.552) 73.135,18.78 68.512,18.78 ccw(c68.512,18.552) 68.283,18.552 68.283,17.561 cw(c68.004,17.561) 68.004,17.282 64.256,17.282 ccw(c64.256,17.042)
  pour cut-out: -13.796,100.677 -14.252,-9.422 15.554,-9.422 15.554,47.777 50.886,47.777 50.886,100.677
VCC:
  rectangle net +5V: 29.261,36.805 32.36,40.462
GND:
  pour cut-out: -13.796,100.677 -14.252,-9.422 15.554,-9.422 15.554,47.701 50.886,47.701 50.886,100.677
Bottom Layer:
  pour cut-out: -13.796,100.677 -14.252,-9.422 15.554,-9.422 15.554,37.762 50.886,37.762 50.886,100.677

## Text inside footprints (layer, text, board x,y; h text height)
J1: Top Overlay "2" at 84.018,86.225 h1 r180; Top Overlay "1" at 88.939,86.225 h1 r180; Mechanical 14 "2" at 84.018,86.225 h1 r180; Mechanical 14 "1" at 88.939,86.225 h1 r180
J3: Top Overlay "2" at 53.537,86.225 h1 r180; Top Overlay "1" at 58.458,86.225 h1 r180; Mechanical 14 "2" at 53.537,86.225 h1 r180; Mechanical 14 "1" at 58.458,86.225 h1 r180
J5: Top Overlay "1" at 68.618,86.225 h1 r180; Top Overlay "2" at 63.697,86.225 h1 r180; Mechanical 14 "1" at 68.618,86.225 h1 r180; Mechanical 14 "2" at 63.697,86.225 h1 r180
J6: Top Overlay "2" at 94.181,86.225 h1 r180; Top Overlay "1" at 99.102,86.225 h1 r180; Mechanical 14 "2" at 94.181,86.225 h1 r180; Mechanical 14 "1" at 99.102,86.225 h1 r180
J7: Top Overlay "2" at 104.343,86.225 h1 r180; Top Overlay "1" at 109.264,86.225 h1 r180; Mechanical 14 "2" at 104.343,86.225 h1 r180; Mechanical 14 "1" at 109.264,86.225 h1 r180
J8: Top Overlay "2" at -5.362,65.067 h1 r180; Top Overlay "1" at -0.441,65.067 h1 r180; Mechanical 14 "2" at -5.362,65.067 h1 r180; Mechanical 14 "1" at -0.441,65.067 h1 r180
J9: Top Overlay "1" at 78.778,86.225 h1 r180; Top Overlay "2" at 73.857,86.225 h1 r180; Mechanical 14 "1" at 78.778,86.225 h1 r180; Mechanical 14 "2" at 73.857,86.225 h1 r180
U8: Mechanical 13 "*" at 89.827,68.238 h1.27 r180
U12: Bottom Overlay "AC-L" at 9.246,-2.3 h0.9 r180; Bottom Overlay "AC-N" at 9.246,5.96 h0.9 r180; Bottom Overlay "-Vout" at 51.046,24.4 h0.9 r180; Bottom Overlay "Trim" at 51.046,30.32 h0.9 r180; Bottom Overlay "+Vout" at 51.046,36.24 h0.9 r180